# KiCad board k410t-devboard.kicad_pcb (continued)
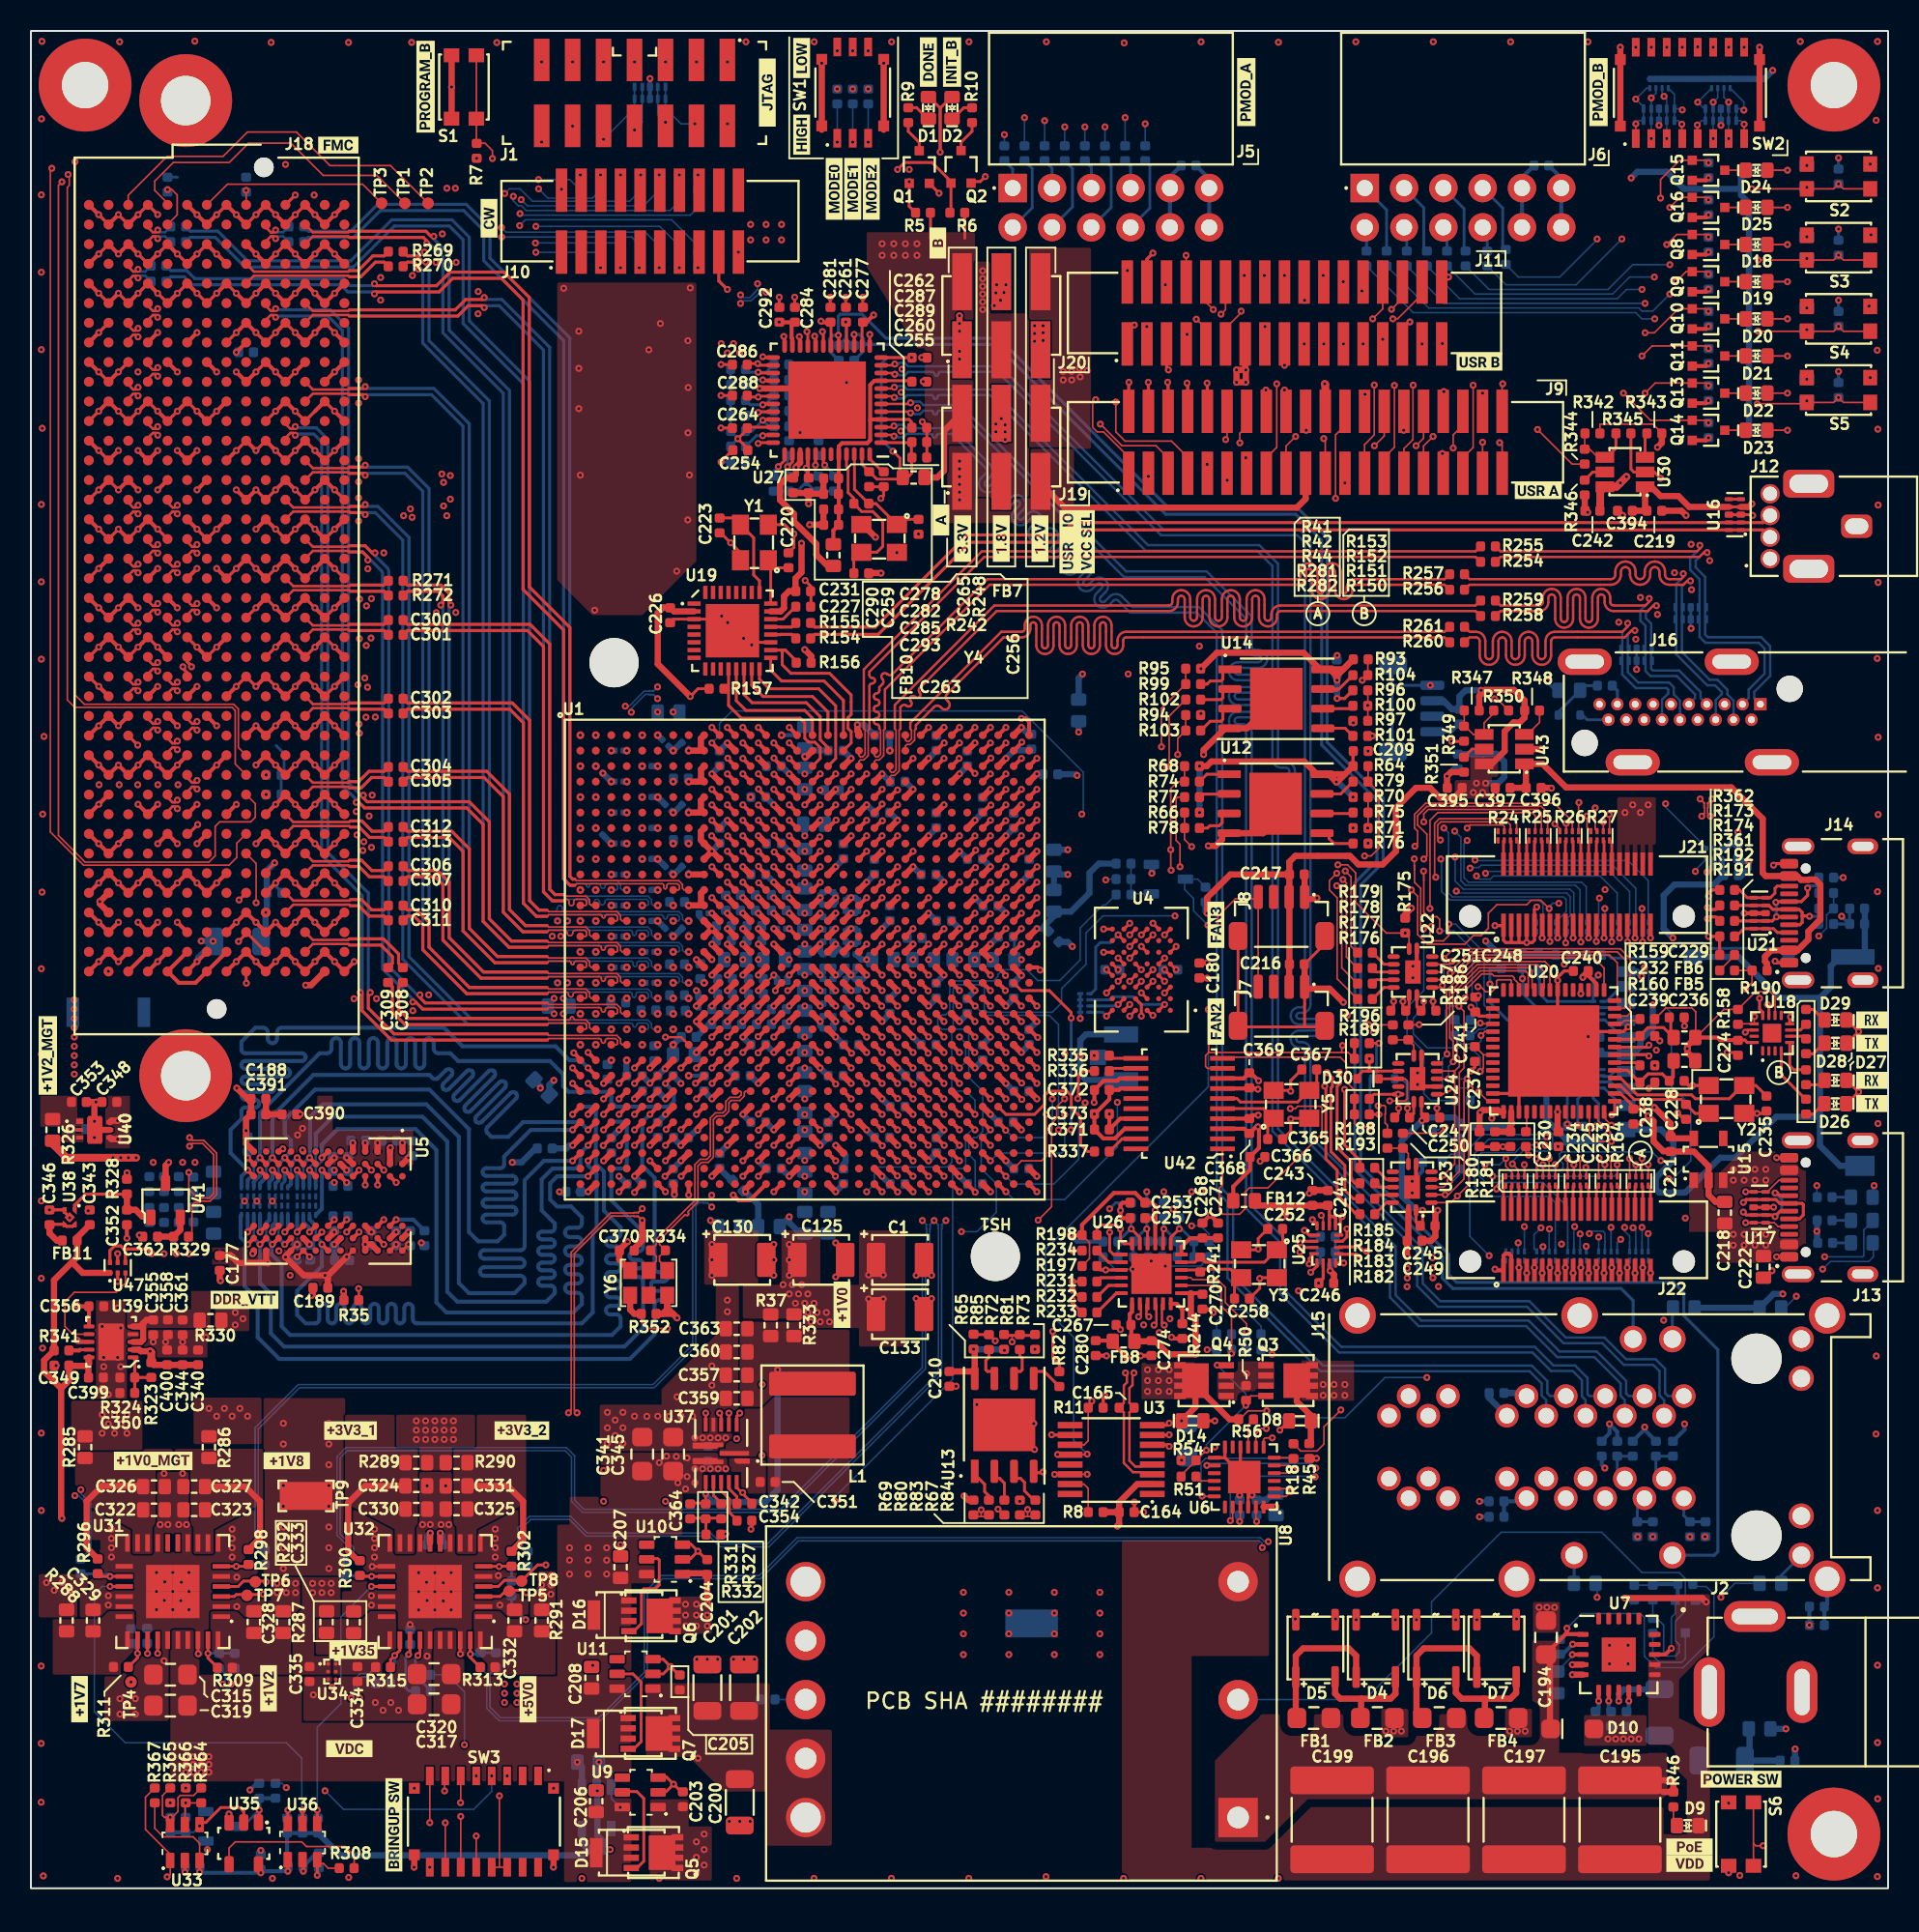
[diagram p0: board, top side]
## Routing (per net, layer and track width the routed paths; a pad name or vN(x,y) marks a point on that pad's centre or on a via; arc(x,y) is an arc through that point) (continued)
  Bottom w0.201: 35.14,64.8 34.84,64.8 34.42,65.22 34.42,78.39 34.42,78.39 34.42,100 29.26,105.16 29.26,107.1 27.96,108.4 22.58,108.4 20.84,106.66 17.93,106.66 17.63,106.36
/FMC+ HSPC/GTX116.TX3_P: length 61.7
  Bottom w0.1: 35.14,65.2 35.24,65.1 37.86,65.1 38.1,64.86 38.1,64.61 38.21,64.5 v1(38.5,64.5)
  Bottom w0.201: 35.14,65.2 35,65.2 34.82,65.39 34.82,78.23 34.82,78.23 34.82,100.16 29.66,105.32 29.66,107.26 28.12,108.8 22.41,108.8 20.68,107.07 17.93,107.07 17.63,107.36
/FMC+ HSPC/GTX_TX0_C_N: length 2.1
  Top w0.16: 15.18,106.22 15.18,106.41 15.5,106.73 15.67,106.73 v1(15.81,106.58)
  Bottom w0.16: v1(15.81,106.58) 15.96,106.73 16.3,106.73 16.66,106.36
/FMC+ HSPC/GTX_TX0_C_P: length 2.1
  Top w0.16: 15.18,107.49 15.18,107.31 15.5,106.99 15.67,106.99 v1(15.81,107.14)
  Bottom w0.16: 16.66,107.36 16.29,106.99 15.96,106.99 v1(15.81,107.14)
/FMC+ HSPC/GTX_TX1_C_N: length 5.7
  Top w0.16: 17.72,80.82 18.22,81.33 20.5,81.33 20.57,81.26
  Top w0.201: 20.57,81.26 22.81,81.26 23.09,80.98
/FMC+ HSPC/GTX_TX1_C_P: length 5.7
  Top w0.16: 20.57,81.66 20.5,81.59 18.22,81.59 17.72,82.09
  Top w0.201: 20.57,81.66 22.81,81.66 23.09,81.94
/FMC+ HSPC/GTX_TX2_C_N: length 5.7
  Top w0.16: 20.57,76.18 20.5,76.25 18.22,76.25 17.72,75.74
  Top w0.201: 20.57,76.18 22.81,76.18 23.09,75.9
/FMC+ HSPC/GTX_TX2_C_P: length 5.7
  Top w0.16: 20.57,76.58 20.5,76.51 18.22,76.51 17.72,77.01
  Top w0.201: 20.57,76.58 22.81,76.58 23.09,76.86
/FMC+ HSPC/GTX_TX3_C_N: length 6
  Top w0.16: 17.72,70.66 18.22,71.17 20.5,71.17 20.57,71.1
  Top w0.201: 20.57,71.1 21.34,71.1 22.01,71.77 22.81,71.77 23.09,71.49
/FMC+ HSPC/GTX_TX3_C_P: length 6
  Top w0.16: 20.57,71.5 20.5,71.43 18.22,71.43 17.72,71.93
  Top w0.201: 23.09,72.44 22.81,72.17 21.84,72.17 21.18,71.5 20.57,71.5
/FMC+ HSPC/GTX_TX4_C_N: length 6
  Top w0.16: 17.72,65.58 18.22,66.09 20.5,66.09 20.57,66.02
  Top w0.201: 20.57,66.02 21.2,66.02 21.86,65.35 22.81,65.35 23.09,65.08
/FMC+ HSPC/GTX_TX4_C_P: length 6
  Top w0.16: 20.57,66.42 20.5,66.35 18.22,66.35 17.72,66.85
  Top w0.201: 23.09,66.03 22.81,65.75 22.03,65.75 21.36,66.42 20.57,66.42
/FMC+ HSPC/GTX_TX5_C_N: length 7
  Top w0.16: 20.57,60.94 20.5,61.01 18.22,61.01 17.72,60.5
  Top w0.201: 20.57,60.94 22.61,60.94 23.35,60.2 23.35,59.76 23.08,59.48
/FMC+ HSPC/GTX_TX5_C_P: length 7.7
  Top w0.16: 20.57,61.34 20.5,61.27 18.22,61.27 17.72,61.77
  Top w0.201: 20.57,61.34 22.78,61.34 23.75,60.36 23.75,59.76 24.03,59.48
/FMC+ HSPC/GTX_TX6_C_N: length 7.3
  Top w0.16: J18.B37 16.95,63.55 20.57,63.55 20.64,63.48
  Top w0.201: 23.09,62.54 22.81,62.81 21.85,62.81 21.19,63.48 20.64,63.48
/FMC+ HSPC/GTX_TX6_C_P: length 7.3
  Top w0.16: J18.B36 16.95,63.81 20.57,63.81 20.64,63.88
  Top w0.201: 23.09,63.49 22.81,63.21 22.02,63.21 21.35,63.88 20.64,63.88
/FMC+ HSPC/GTX_TX7_C_N: length 7.3
  Top w0.16: 20.64,68.56 20.57,68.63 16.95,68.63 J18.B33
  Top w0.201: 20.64,68.56 21.21,68.56 21.88,67.89 22.81,67.89 23.09,67.62
/FMC+ HSPC/GTX_TX7_C_P: length 7.3
  Top w0.16: 20.64,68.96 20.57,68.89 16.95,68.89 J18.B32
  Top w0.201: 20.64,68.96 21.38,68.96 22.05,68.29 22.81,68.29 23.09,68.57
/FPGA Bank 12 & 13/CW_HEADER.HS1: length 103.5
  Top w0.256: U1.AG25 v1(60,48)
  In3.Cu w0.1: v1(54,45) 53.41,44.41 45.66,44.41 44.87,43.62 43.27,43.62 42.48,44.41 33.11,44.41 32.4,45.13 32.4,48.12 29.8,50.72 29.8,109.7 30.5,110.4 v1(32.8,110.4)
  Bottom w0.1: v1(54,45) 54.5,45.5 54.5,46.3 54.8,46.6 59.2,46.6 59.5,46.9 59.5,47.5 v1(60,48) ; 35.5,109.71 34.82,110.4 v1(32.8,110.4)
/FPGA Bank 12 & 13/CW_HEADER.HS2: length 91
  Top w0.256: U1.AF22 v1(57,49)
  In3.Cu w0.1: v1(57,49) 56.6,48.6 34.28,48.6 31.4,51.48 31.4,105.73 31.79,106.12 31.79,106.82 32.25,107.28 32.25,109.25 v1(32.8,109.8)
  Bottom w0.1: v1(32.8,109.8) 33.4,109.2 36.29,109.2 36.8,109.71
/FPGA Bank 12 & 13/CW_HEADER.IO1: length 96.8
  Top w0.256: U1.AJ21 55.97,46.03 v1(55.98,46.03)
  In3.Cu w0.1: 56,46 55.6,46.4 34.7,46.4 34.1,47 34.1,47.3 30.4,51 30.4,106.14 30.79,106.53 30.79,109.33 v1(30.62,109.5)
  Bottom w0.1: v1(30.62,109.5) 30.92,109.8 31.6,109.8 32.4,109 38.69,109 39.36,109.67 39.36,109.72
/FPGA Bank 12 & 13/CW_HEADER.IO2: length 96.4
  Top w0.256: U1.AH22 v1(57,47)
  In3.Cu w0.1: v1(57,47) 56.6,47.4 34.6,47.4 30.8,51.2 30.8,105.97 31.19,106.36 31.19,108.61 v1(31.68,109.1)
  Bottom w0.1: 40.6,109.71 39.59,108.7 32.08,108.7 31.88,108.9 31.88,108.9 v1(31.68,109.1)
/FPGA Bank 12 & 13/CW_HEADER.IO3: length 98
  Top w0.256: U1.AH20 v1(55,47)
  In3.Cu w0.1: v1(31.17,109.31) 30.99,109.13 30.99,106.45 30.6,106.06 30.6,51.12 34.31,47.41 34.31,47.16 34.87,46.6 54.6,46.6 v1(55,47)
  Bottom w0.1: 41.9,109.71 41.9,109 41.3,108.4 32,108.4 31.7,108.7 31.5,108.7 31.17,109.03 v1(31.17,109.31)
/FPGA Bank 12 & 13/CW_HEADER.IO4: length 98.1
  Top w0.256: U1.AG22 v1(57,48)
  In3.Cu w0.1: v1(57,48) 56.6,48.4 34.2,48.4 31.2,51.4 31.2,105.81 31.59,106.2 31.59,106.91 31.6,106.91 32.05,107.37 32.05,107.75 v1(31.6,108.2)
  Bottom w0.1: 43.1,109.71 43.1,108.6 42.6,108.1 31.7,108.1 v1(31.6,108.2)
/FPGA Bank 12 & 13/CW_HEADER.MISO: length 87
  Top w0.256: U1.AF21 v1(56,49)
  In3.Cu w0.1: v1(32.6,106.3) 31.8,105.5 31.8,51.7 33.9,49.6 55,49.6 55.6,49 v1(56,49)
  Bottom w0.1: 38.1,105.68 38.1,106.1 37.9,106.3 v1(32.6,106.3)
/FPGA Bank 12 & 13/CW_HEADER.MOSI: length 95.8
  Top w0.256: U1.AK21 56,45 v1(56,44.99)
  In3.Cu w0.1: 56,45 55.4,45.6 33.2,45.6 32.8,46 32.8,48.32 30.2,50.92 30.2,106.47 v1(30.41,106.69)
  Bottom w0.1: v1(30.41,106.69) 38.81,106.69 39.36,106.14 39.36,105.69
/FPGA Bank 12 & 13/CW_HEADER.RST: length 82.8
  Top w0.256: U1.AE20 v1(55,50)
  In3.Cu w0.1: v1(32.63,105.7) 32,105.07 32,51.8 33.4,50.4 54.6,50.4 v1(55,50)
  Bottom w0.1: v1(32.63,105.7) 36.79,105.7 36.8,105.68
/FPGA Bank 12 & 13/CW_HEADER.TPDIC: length 91.6
  Top w0.256: v1(55,49.03) 54.97,49.03 U1.AF20
  In3.Cu w0.1: v1(32.63,107.37) 31.99,106.74 31.99,106.03 31.6,105.64 31.6,51.6 33.8,49.4 54.6,49.4 55,49
  Bottom w0.1: v1(32.63,107.37) 40.63,107.37 41.9,106.1 41.9,105.68
/FPGA Bank 12 & 13/CW_HEADER.TPDID: length 95.6
  Top w0.256: U1.AG20 55.01,47.99 v1(55.01,47.97)
  In3.Cu w0.1: 55,48 54.6,47.6 34.7,47.6 31,51.3 31,105.89 31.39,106.28 31.39,107.23 v1(31.58,107.42)
  Bottom w0.1: 43.1,105.68 43.1,106.1 41.4,107.8 31.96,107.8 v1(31.58,107.42)
/FPGA Bank 12 & 13/CW_HEADER.TSCK: length 97.3
  Top w0.256: U1.AK20 v1(55,45)
  In3.Cu w0.1: v1(55,45) 54.6,45.4 33,45.4 32.6,45.8 32.6,48.2 30,50.8 30,106.9 v1(30.4,107.3)
  Bottom w0.1: 40.6,105.68 40.6,106.1 39.7,107 30.7,107 v1(30.4,107.3)
/FPGA Bank 12 & 13/FAN_PWM_CTRL: length 26.2
  Top w0.256: U1.AE26 v1(61,50)
  Bottom w0.1: v1(61,50) 61,50.93 60.43,51.5 59.72,51.5 59.5,51.72 59.5,55.3 59.3,55.5 58.85,55.5 58.6,55.75 58.6,56.18 58.85,56.43 59.1,56.43 59.38,56.7 59.38,58.27 59.73,58.62 62.2,58.62 62.47,58.9 62.47,59.03 62.8,59.35 64.35,59.35 65.05,58.65 66.47,58.65 67.8,59.97 67.8,62.05 69.28,63.53 69.44,63.53 70.12,64.2
/FPGA Bank 12 & 13/PMOD_A.IO1: length 145.5
  Top w0.256: U1.AK28 v1(63,45)
  In3.Cu w0.1: v1(64.2,114.4) 64.38,114.58 69.72,114.58 70.4,113.9 71.05,113.9 71.55,114.4 101.9,114.4 106.9,109.4 106.9,91.6 97.5,82.2 84.5,82.2 83.5,81.2 83.5,64.72 83.95,64.28 83.95,63.3 83.7,63.05 83.7,57.22 77.68,51.2 72.67,51.2 72.47,51 70.42,51 v1(70.2,50.78)
  Bottom w0.1: 64.2,112.59 v1(64.2,114.4) ; v1(70.2,50.78) 70.2,47.9 66.8,44.5 63.5,44.5 v1(63,45)
/FPGA Bank 12 & 13/PMOD_A.IO2: length 128
  Top w0.256: U1.W27 v1(62,56)
  In3.Cu w0.1: v1(66.8,113.8) 67.6,113 72.66,113 73.06,113.4 101.4,113.4 102.32,112.48 102.32,105.19 101.6,104.47 101.6,97 92.8,88.2 82.5,88.2 77.7,83.4 77.7,57.12 76.13,55.55 70.92,55.55 70.67,55.8 66.5,55.8 65.5,56.8 65.5,57.2 65.3,57.4 63.67,57.4 63.5,57.23 63.5,56.9 63.2,56.6 62.6,56.6 v1(62,56)
  Bottom w0.1: 66.8,112.59 v1(66.8,113.8)
/FPGA Bank 12 & 13/PMOD_A.IO3: length 135.3
  Top w0.256: v1(62.98,48.97) 62.98,49.02 U1.AF28
  In3.Cu w0.1: v1(69.4,113.8) 69.6,113.6 72.3,113.6 72.7,114 101.7,114 106.5,109.2 106.5,104.6 105.9,104 105.9,103.6 106.3,103.2 106.3,93.1 96.3,83.1 84.2,83.1 82.8,81.7 82.8,64.9 82.7,64.8 82.7,63.75 82.8,63.65 82.8,57.2 77.4,51.8 72.42,51.8 72.22,51.6 66.6,51.6 v1(66,51)
  Bottom w0.1: v1(66,51) 66,49.1 65.4,48.5 63.46,48.5 v1(62.98,48.97) ; 69.4,112.59 v1(69.4,113.8)
/FPGA Bank 12 & 13/PMOD_A.IO4: length 136
  Top w0.182: U1.AJ28 v1(63,46)
  In3.Cu w0.1: v1(72,114) 72.2,114.2 101.8,114.2 106.7,109.3 106.7,91.8 97.4,82.5 84.4,82.5 83.28,81.38 83.28,64.65 83.72,64.2 83.72,63.42 83.4,63.1 83.4,57.22 77.58,51.4 72.58,51.4 72.38,51.2 68.57,51.2 v1(68.12,50.75)
  Bottom w0.1: v1(63,46) 63.5,45.5 66.1,45.5 67.7,47.1 67.7,50.33 v1(68.12,50.75) ; 72,112.59 v1(72,114)
/FPGA Bank 12 & 13/PMOD_A.IO7: length 134.6
  Top w0.256: U1.AA25 v1(60,54)
  In3.Cu w0.1: v1(60,54) 60.6,54.6 60.6,57.18 60.79,57.38 63.36,57.38 63.58,57.6 65.39,57.6 65.72,57.28 69.47,57.28 71,55.75 76.05,55.75 77.4,57.1 77.4,83.5 82.4,88.5 92.68,88.5 101.4,97.22 101.4,104.55 102.1,105.25 102.1,112.4 101.3,113.2 73.2,113.2 72.8,112.8 63.4,112.8 v1(62.9,113.3)
  Bottom w0.1: v1(62.9,113.3) 62.9,112.59
/FPGA Bank 12 & 13/PMOD_A.IO8: length 129.7
  Top w0.256: U1.W29 v1(64,56)
  In3.Cu w0.1: v1(65.5,114.2) 67,114.2 68,113.2 72.55,113.2 72.95,113.6 101.5,113.6 104.9,110.2 104.9,105.6 102,102.7 102,96.5 93.1,87.6 82.7,87.6 78.3,83.2 78.3,57.1 76.35,55.15 70.75,55.15 70.5,55.4 66.3,55.4 65.32,56.38 64.38,56.38 v1(64,56)
  Bottom w0.1: 65.5,112.59 v1(65.5,114.2)
/FPGA Bank 12 & 13/PMOD_A.IO9: length 133.9
  Top w0.256: U1.AD27 v1(62,51)
  In3.Cu w0.1: v1(68.1,113.8) 68.5,113.4 72.4,113.4 72.8,113.8 101.6,113.8 106.3,109.1 106.3,104.7 105.5,103.9 105.5,102.8 105.9,102.4 105.9,94.5 104.1,92.7 103.8,92.7 94.8,83.7 84,83.7 82.2,81.9 82.2,57.2 77.2,52.2 72.25,52.2 72.05,52 66.4,52 66.03,51.62 62.62,51.62 v1(62,51)
  Bottom w0.1: 68.1,112.59 v1(68.1,113.8)
/FPGA Bank 12 & 13/PMOD_A.IO10: length 138.4
  Top w0.1: v1(65.6,50) 65.6,47.3 65.3,47 64,47 U1.AJ29
  In3.Cu w0.1: v1(70.7,114.4) 70.9,114.6 102,114.6 107.1,109.5 107.1,91.4 97.6,81.9 84.6,81.9 83.75,81.05 83.75,64.83 84.2,64.38 84.2,57.26 80.62,53.69 80.62,52.39 79.18,50.95 77.75,50.95 75.8,49 68.03,49 67.43,49.6 66,49.6 v1(65.6,50)
  Bottom w0.1: 70.7,112.59 v1(70.7,114.4)
/FPGA Bank 12 & 13/PMOD_B.IO1: length 99.4
  Top w0.256: U1.AB30 v1(65,53)
  In3.Cu w0.1: v1(104.93,101.4) 105.1,101.23 105.1,95.3 103.7,93.9 103.4,93.9 94.4,84.9 83.6,84.9 81,82.3 81,57.2 76.8,53 71.92,53 71.72,52.8 65.2,52.8 v1(65,53)
  Bottom w0.1: 86.3,104.81 89.31,101.8 103.7,101.8 104.1,101.4 v1(104.93,101.4)
/FPGA Bank 12 & 13/PMOD_B.IO2: length 97.9
  Top w0.256: U1.AB29 v1(64,53)
  In3.Cu w0.1: v1(104.3,102.4) 104.3,101.4 104.9,100.8 104.9,95.5 103.6,94.2 103.3,94.2 94.3,85.2 83.5,85.2 80.7,82.4 80.7,57.19 76.71,53.2 71.84,53.2 71.64,53 66.3,53 65.9,53.4 64.3,53.4 64,53.1 v1(64,53)
  Bottom w0.1: v1(104.3,102.4) 91.31,102.4 88.9,104.82
/FPGA Bank 12 & 13/PMOD_B.IO3: length 98.6
  Top w0.256: v1(64.02,52.03) 63.97,52.03 U1.AC29
  In3.Cu w0.1: v1(104.9,104.1) 104.9,102.8 105.5,102.2 105.5,94.9 103.9,93.3 103.6,93.3 94.6,84.3 83.8,84.3 81.6,82.1 81.6,57.23 76.97,52.6 72.09,52.6 71.89,52.4 64.3,52.4 64.02,52.12 v1(64.02,52.03)
  Bottom w0.1: 91.5,104.82 93.31,103 102.2,103 103.3,104.1 v1(104.9,104.1)
/FPGA Bank 12 & 13/PMOD_B.IO4: length 93.4
  Top w0.256: U1.W28 v1(63,56)
  In3.Cu w0.1: v1(63,56) 63.57,56.57 65.43,56.57 66.4,55.6 70.58,55.6 70.83,55.35 76.25,55.35 78,57.1 78,83.3 82.6,87.9 92.95,87.9 101.8,96.75 101.8,104.38 102.8,105.38 v1(102.8,106.56)
  Bottom w0.1: v1(102.8,106.56) 99.84,103.6 95.31,103.6 94.1,104.82
/FPGA Bank 12 & 13/PMOD_B.IO7: length 105.5
  Top w0.256: U1.AD28 v1(63,51)
  In3.Cu w0.1: v1(63,51) 63.43,51.43 66.12,51.43 66.5,51.8 72.14,51.8 72.34,52 77.28,52 82.5,57.22 82.5,81.8 84.1,83.4 96.3,83.4 106.1,93.2 106.1,102.8 v1(105.9,103)
  Bottom w0.1: v1(105.9,103) 104.8,101.9 104.1,101.9 103.9,102.1 90.31,102.1 87.6,104.82
/FPGA Bank 12 & 13/PMOD_B.IO8: length 99.4
  Top w0.256: v1(62.03,54.01) 61.99,54.01 U1.AA27
  In3.Cu w0.1: v1(62.03,54.01) 62.64,53.4 64.02,53.4 64.22,53.6 65.98,53.6 66.38,53.2 71.56,53.2 71.76,53.4 76.63,53.4 80.4,57.17 80.4,82.5 83.4,85.5 94.1,85.5 103.1,94.5 103.5,94.5 104.7,95.7 104.7,100.71 103.9,101.51 103.9,103.1 v1(104.1,103.3)
  Bottom w0.1: v1(104.1,103.3) 103.1,103.3 102.5,102.7 92.31,102.7 90.2,104.82
/FPGA Bank 12 & 13/PMOD_B.IO9: length 98.7
  Top w0.256: U1.AC30 v1(65,52)
  In3.Cu w0.1: v1(65,52) 66.1,52 66.3,52.2 71.97,52.2 72.17,52.4 77.1,52.4 81.9,57.2 81.9,82 83.9,84 94.7,84 103.7,93 104,93 105.7,94.7 105.7,102.3 105.3,102.7 105.3,104.3 v1(105.9,104.9)
  Bottom w0.1: 92.7,104.82 94.22,103.3 101.9,103.3 103.5,104.9 v1(105.9,104.9)
/FPGA Bank 12 & 13/PMOD_B.IO10: length 96.4
  Top w0.256: U1.AB25 v1(60,53)
  In3.Cu w0.1: v1(60,55) 60.1,55 60.4,55.3 60.4,57.27 60.71,57.57 63.28,57.57 63.5,57.8 65.47,57.8 65.8,57.47 72.03,57.47 73.55,55.95 75.95,55.95 77.1,57.1 77.1,83.6 82.3,88.8 92.57,88.8 101.2,97.42 v1(101.2,106.56)
  Bottom w0.1: v1(60,53) 60.4,53.4 60.4,54.6 v1(60,55) ; v1(101.2,106.56) 101.2,106.52 98.78,104.1 96.12,104.1 95.3,104.92
/FPGA Bank 12 & 13/UART0.RX: length 11.5
  Top w0.1: NT16.2 90,63.08 90.3,62.78 90.85,62.78 91.03,62.6 v1(91.03,61.85)
  Bottom w0.1: v1(91.03,61.85) 91.95,61.85 93.12,60.68 93.12,57.47 93.43,57.18 93.43,56.54 92.99,56.1
/FPGA Bank 12 & 13/UART0.TX: length 11.6
  Top w0.1: v1(91.62,62.29) 91.62,61.56 91.27,61.21 90.69,61.21 NT18.2
  Bottom w0.1: v1(91.62,62.29) 92.07,62.29 93.9,60.46 93.9,57.05 94.25,56.7 94.25,55.85 93.9,55.5 93.55,55.5 93.15,55.1 92.99,55.1
/FPGA Bank 12 & 13/UART1.RX: length 17.8
  Top w0.1: NT15.2 89.4,65 89.8,64.6 89.8,62.15 v1(89.97,61.97)
  Bottom w0.1: 92.01,50.9 90.45,50.9 90,51.35 90,54.05 88.93,55.12 88.93,56.93 90,58 90,61.95 v1(89.97,61.97)
/FPGA Bank 12 & 13/UART1.TX: length 46
  Top w0.1: 96.6,47.91 96.6,47.55 v1(96.78,47.38)
  In3.Cu w0.1: v1(96.78,47.38) 95.06,49.09 94.23,49.09 94.03,49.29 94.03,49.91 94.6,50.48 94.6,57.39 93.88,58.12 93.88,58.65 91.25,61.27 90.06,61.27 89.08,62.25 88.65,62.25 85.69,59.29 85.69,57.04 v1(85.05,56.4)
  In5.Cu w0.1: v1(85.05,56.4) 85.05,56.93 89.35,61.22 93.05,61.22 94.28,62.45 94.28,62.97 95.22,63.92 98.44,63.92 v1(98.73,63.64)
  Bottom w0.1: NT17.2 v1(98.73,63.64)
/FPGA Bank 12 & 13/USB_HOST.CLK: length 8.5
  Top w0.182: U1.A16 50.5,75.6 ; U19.13 45.57,76.72
  Top w0.184: 45.57,76.72 46.2,76.1 50,76.1 50.5,75.6
/FPGA Bank 12 & 13/USB_HOST.GPX: length 8.6
  Top w0.182: 52.5,76.75 U1.A18 ; 47.8,79.5 47.8,78.7
  Top w0.184: 47.8,78.7 48.5,78 51.25,78 52.5,76.75
/FPGA Bank 12 & 13/USB_HOST.INT: length 12.7
  Top w0.182: U1.B18 53,74 53,74.73 52.8,74.93 52.8,75.64 53,75.84 53,76.65 ; 48.54,79.9 48.54,79.06
  Top w0.184: 48.75,80 48.54,80 48.54,79.9 ; 48.75,80 49.44,79.3 49.44,79.18 ; 48.75,80 48.44,80 ; 48.54,79.9 48.44,80 ; 48.54,79.9 48.65,80 ; 53,76.65 53,77.1 51.6,78.5 49.1,78.5 48.54,79.06 ; 48.44,80 47.8,80
/FPGA Bank 12 & 13/USB_HOST.MISO: length 8.2
  Top w0.182: U1.A17 51.5,75.8 ; U19.15 46.57,77.72
  Top w0.184: 51.5,75.8 51.5,76 50.5,77 47.3,77 46.57,77.72
/FPGA Bank 12 & 13/USB_HOST.MOSI: length 10.4
  Top w0.182: 52,76 52,73 U1.C17 ; U19.16 47.07,78.12
  Top w0.184: 52,76 52,76.4 50.9,77.5 47.7,77.5 47.07,78.12
/FPGA Bank 12 & 13/USB_HOST.VBUS_PEN: length 95.3
  Top w0.1: 100.4,92.02 99.59,92.02 v1(97.35,94.25)
  Top w0.256: v1(62,48) U1.AG27
  In3.Cu w0.1: v1(75.5,80.25) 75.5,82.75 82.05,89.3 92.4,89.3 v1(97.35,94.25)
  In7.Cu w0.1: v1(75.5,80.25) 75.5,80.05 74.95,79.5 63.6,79.5 59.55,75.45 59.55,72.55 58.5,71.5 58.5,66.75 57.3,65.55 52.75,65.55 51.45,64.25 51.45,55 51.5,54.95 51.5,52.6 51.1,52.2 51.1,49.85 52.55,48.4 61.6,48.4 v1(62,48)
/FPGA Bank 12 & 13/USB_HOST.~{CS}: length 9.6
  Top w0.182: 51,75.7 51,74.2 51.5,73.7 U1.B17 ; 46.07,78.78 46.07,77.12
  Top w0.184: 51,75.7 50.1,76.6 46.6,76.6 46.07,77.12
/FPGA Bank 12 & 13/USB_HOST.~{RESET}: length 11.4
  Top w0.182: 50,75.3 50,74.3 50.25,74.05 50.65,74.05 51,73.7 51,73 U1.C16 ; 45.2,76.3 45.07,76.42 45.07,78.78
  Top w0.184: 50,75.3 49.7,75.6 45.9,75.6 45.2,76.3
/FPGA Bank 12 & 13/USB_USER.RCV: length 45.2
  Top w0.182: 82.9,41.8 82.1,41.8 v1(82,41.7)
  Top w0.256: U1.AB15 v1(49,53)
  In7.Cu w0.1: v1(49,53) 47.6,51.6 47.6,46.4 49.9,44.1 66.8,44.1 69.2,41.7 v1(82,41.7)
/FPGA Bank 12 & 13/USB_USER.SCON: length 42.8
  Top w0.182: v1(82.8,43.2) 83.1,42.9 U25.16
  Top w0.256: U1.AG15 v1(49,48)
  In7.Cu w0.1: v1(82.8,43.2) 83.2,42.8 84.7,42.8 85.1,43.2 85.1,44.1 83,46.2 65.6,46.2 65.4,46.4 50.07,46.4 49.5,46.97 49.5,47.5 v1(49,48)
/FPGA Bank 12 & 13/USB_USER.SPD: length 44.3
  Top w0.182: v1(84.83,40.4) 84.3,40.4
  Top w0.256: v1(50.99,49) 50.99,49.01 U1.AF16
  In7.Cu w0.1: v1(50.99,49) 51.5,48.49 51.5,47.9 51.81,47.59 62.74,47.59 63.38,48.22 83.12,48.22 86.3,45.05 86.3,42.7 84.83,41.23 v1(84.83,40.4)
/FPGA Bank 12 & 13/USB_USER.SUS: length 42.5
  Top w0.182: v1(82.7,39.8) 83.1,40.2 U25.5
  Top w0.256: U1.AH15 v1(49,47)
  In7.Cu w0.1: v1(49,47) 49.5,46.5 49.5,45.6 49.7,45.4 80,45.4 82.7,42.7 82.7,41.1 82.22,40.62 82.22,40.02 82.43,39.8 v1(82.7,39.8)
  Bottom w0.182: 83.31,41.1 83.31,40.41 v1(82.7,39.8)
/FPGA Bank 12 & 13/USB_USER.VBUS_PEN: length 70.2
  Top w0.198: R349.1 92.59,74.1 v1(91.8,74.1)
  Top w0.256: U1.AD29 64.03,50.97 v1(64.03,50.97)
  In3.Cu w0.1: v1(91.8,74.1) 93.78,74.1 94.2,74.53 94.2,81.03 94.22,81.05 93.75,81.53 85.57,81.53 84.93,80.88 84.93,66.26 85.3,65.88 85.3,64.47 84.43,63.6 84.43,57.21 80.82,53.61 80.82,52.31 79.26,50.75 77.83,50.75 75.88,48.8 67.93,48.8 67.33,49.4 65.59,49.4 v1(64.03,50.97)
/FPGA Bank 12 & 13/USB_USER.VDET: length 101.7
  Top w0.1: 110.08,59.3 111.21,59.3 111.21,58.51 v1(110.8,58.1)
  Top w0.256: U1.AK26 61.02,44.98 v1(61.02,44.97)
  In5.Cu w0.1: v1(73.93,62.83) 73.93,63.2 72.75,64.38 68.85,64.38 68.53,64.7 68.53,65.47 69.03,65.97 72.78,65.97 73.35,66.55 81.25,66.55 84.65,69.95 91.38,69.95 92.65,71.22 92.65,72.05 92.97,72.38 99.97,72.38 101.43,70.92 104,70.92 104.18,71.1 105.32,71.1 109.15,67.28 109.15,59.75 v1(110.8,58.1)
  Bottom w0.1: v1(61.02,44.97) 61.02,46.98 60.6,47.4 60.6,48.2 60.9,48.5 61.1,48.5 61.5,48.9 61.5,51.5 60.6,52.4 60.6,55.2 60.3,55.5 59.8,55.5 59.59,55.71 59.59,58.12 59.84,58.38 61.43,58.38 61.6,58.2 61.6,56.8 61.8,56.6 66,56.6 66.6,57.2 66.6,58.12 68.18,59.7 68.18,61.72 69.28,62.83 v1(73.93,62.83)
/FPGA Bank 12 & 13/USB_USER.VM: length 53.6
  Top w0.182: v1(82.59,40.34) 82.59,40.69 82.9,41
  Top w0.256: U1.Y14 v1(48,55)
  In7.Cu w0.1: v1(82.59,40.34) 84.35,42.1 85.2,42.1 85.9,42.8 85.9,44.9 82.93,47.88 63.88,47.88 63.38,47.38 51.09,47.38 49.5,48.97 49.5,54.4 48.9,55 v1(48,55)
/FPGA Bank 12 & 13/USB_USER.VMO: length 36.1
  Top w0.182: U25.12 84.61,42.31 84.61,43.29 v1(84.73,43.4)
  Top w0.256: v1(51.99,46) 51.99,46.01 U1.AJ17
  In7.Cu w0.1: v1(51.99,46) 52.39,45.6 65.4,45.6 65.6,45.8 82.6,45.8 84.73,43.67 v1(84.73,43.4)
/FPGA Bank 12 & 13/USB_USER.VP: length 47.1
  Top w0.182: 82.9,41.4 82.3,41.4 v1(82,41.1)
  Top w0.256: U1.AA15 v1(49,54)
  In7.Cu w0.1: v1(49,54) 47.4,52.4 47.4,46.2 49.96,43.64 66.36,43.64 69.1,40.9 81,40.9 81.2,41.1 v1(82,41.1)
/FPGA Bank 12 & 13/USB_USER.VPO: length 38.5
  Top w0.182: 84.5,41.8 84.74,41.8 85.03,42.09 v1(85.03,42.6)
  Top w0.256: U1.AH17 v1(52,47)
  In7.Cu w0.1: v1(85.03,42.6) 85.5,43.07 85.5,44.5 83.4,46.6 52.4,46.6 v1(52,47)
/FPGA Bank 12 & 13/USB_USER.~{OE}: length 40.2
  Top w0.182: U25.1 82.59,42.2 v1(82.29,42.5)
  Top w0.256: U1.AG14 v1(48,48)
  In7.Cu w0.1: v1(82.29,42.5) 80.19,44.6 49.8,44.6 48,46.4 v1(48,48)
  Bottom w0.182: v1(82.29,42.5) 82.69,42.1 83.31,42.1
/FPGA Bank 12 & 13/~{PB_CTRL_CLR}: length 85.4
  Top w0.256: U1.AF26 v1(61,49)
  In7.Cu w0.1: v1(51.96,25.01) 47.75,20.8 47.75,11.79 45.74,9.78 17.25,9.78 14.39,6.92 9.91,6.92 9,6.01 v1(9,5.52)
  Bottom w0.1: v1(51.96,25.01) 51.96,25.29 59.56,32.89 59.56,46.36 59.7,46.5 60.2,46.5 60.4,46.7 60.4,48.6 60.8,49 v1(61,49)
/FPGA Bank 12 & 13/~{PB_CTRL_INT}: length 89.5
  Top w0.256: U1.AF27 v1(62,49)
  In3.Cu w0.1: v1(10,6.48) 11.38,6.48 13.99,9.09 13.99,15.59 11.95,17.62 11.95,23.6 20.43,32.07 39.72,32.07 42.85,35.2 59.07,35.2 59.7,35.82 59.7,42 v1(60.12,42.43)
  Bottom w0.1: v1(62,49) 61.4,48.4 61.4,46.5 62.38,45.53 62.38,43.68 61.12,42.43 v1(60.12,42.43)
/FPGA Bank 14 & 15/CFG_PUDC: length 1.3
  Top w0.256: U1.R23 v1(58,61)
  Bottom w0.182: 57.59,61.4 57.99,61 v1(58,61)
/FPGA Bank 14 & 15/SYSTEM_FLASH.CLK: length 82.2
  Top w0.1: v1(86.38,68.5) 86.4,68.5 86.4,70.5
  Top w0.256: v1(44,74) U1.B10
  In7.Cu w0.1: v1(101.7,63.3) 100.12,63.3 98.93,64.5 93.18,64.5 91.5,62.83 83.45,62.83 82.43,63.85 82.43,65.7 83.5,66.78 85.1,66.78 85.57,66.3 86.43,66.3 86.85,66.72 86.85,67.97 86.38,68.45 v1(86.38,68.5) 85.62,67.75 69.55,67.75 v1(67.9,69.4)
  Bottom w0.1: v1(67.9,69.4) 68,69.5 68,72.11 64.04,76.06 45.29,76.06 44.5,75.27 44.5,74.5 v1(44,74) ; 101.7,62.93 v1(101.7,63.3)
/FPGA Bank 14 & 15/SYSTEM_FLASH.DQ0: length 73.6
  Top w0.256: U1.P24 58.99,61.99 v1(59,61.99)
  In3.Cu w0.1: v1(86.4,67.53) 88.76,69.89 94.07,69.89 94.8,69.16 94.8,63.09 94.13,62.42 94.13,61.91 94.8,61.24 94.8,50.15 v1(94.4,49.75)
  In5.Cu w0.1: v1(94.4,49.75) 95.12,49.03 98.78,49.03 101.18,46.62 101.18,43.35 v1(100.1,42.28)
  In7.Cu w0.1: v1(59,61.99) 60.39,63.38 66.22,63.38 69.55,66.7 76.43,66.7 77.18,67.45 86.32,67.45 v1(86.4,67.53)
  Bottom w0.1: NT13.1 v1(100.1,42.28)
/FPGA Bank 14 & 15/SYSTEM_FLASH.DQ1: length 59.3
  Top w0.1: 74.54,70.5 74.1,70.5 74,70.4 74,67.7 74.25,67.45 v1(74.25,66) ; 102.1,46.63 v1(102.1,47.15)
  Top w0.256: U1.R25 v1(60,61)
  In7.Cu w0.1: v1(102.1,47.15) 101.45,47.8 100.03,47.8 91.44,56.38 91.44,57.27 90.29,58.42 86.17,58.42 78.59,66 v1(74.25,66) 74.05,66.2 69.9,66.2 66.07,62.38 60.84,62.38 60.62,62.16 60.62,61.68 60,61.05 v1(60,61)
/FPGA Bank 14 & 15/SYSTEM_FLASH.DQ2: length 26.9
  Top w0.1: 74.54,69.5 74.54,67.76 v1(75,67.3)
  Top w0.256: U1.R19 v1(54,61)
  In7.Cu w0.1: v1(54,61) 54.6,61.6 57.79,61.6 60.56,64.38 66.42,64.38 69.55,67.5 74.8,67.5 v1(75,67.3)
/FPGA Bank 14 & 15/SYSTEM_FLASH.DQ3: length 37.7
  Top w0.1: 86.4,72.5 86.4,71.5 87.1,70.8 87.1,67.2 86.6,66.7 v1(86.18,66.7)
  Top w0.256: U1.R24 v1(59,61)
  In7.Cu w0.1: v1(59,61) 59.62,61.62 60.29,61.62 60.43,61.76 60.43,62.25 60.75,62.58 65.82,62.58 69.7,66.45 76.62,66.45 77.38,67.2 85.68,67.2 v1(86.18,66.7)
/FPGA Bank 14 & 15/SYSTEM_FLASH.~{CS}: length 69.6
  Top w0.1: 99.7,46.53 v1(99.7,46.75) ; 74.54,72.5 74.54,71.5 74.1,71.5 73.65,71.05 v1(73.65,67.1) 73.65,65.8 v1(73.68,65.78)
  Top w0.256: U1.U19 v1(54,58)
  In7.Cu w0.1: v1(73.65,67.1) 73.5,67.25 69.7,67.25 66.03,63.58 60.04,63.58 58.4,61.93 58.4,58.7 58.2,58.5 57.9,58.5 57.6,58.2 57.6,57.7 57.3,57.4 54.6,57.4 v1(54,58) ; v1(99.7,46.75) 99.7,47.84 91.24,56.3 91.24,57.19 90.21,58.22 86.03,58.22 78.7,65.55 73.9,65.55 v1(73.68,65.78)
/FPGA Bank 16 & 17/GBE_RGMII.GTR_CLK: length 38.9
  Top w0.184: v1(47.29,93.85) 47.34,93.9 48.02,93.9
  Top w0.256: U1.D17 v1(52,72)
  In7.Cu w0.1: v1(52,72) 51.84,72.16 51.84,72.47 51.69,72.62 51.69,76.11 51.52,76.28 arc(51.4,76.3) 51.3,76.25 51.13,76.07 arc(51,76.02) 50.88,76.07 arc(50.83,76.2) 50.88,76.32 51.06,76.5 arc(51.11,76.62) 51.06,76.75 arc(50.93,76.8) 50.81,76.75 50.63,76.57 arc(50.51,76.52) 50.38,76.57 arc(50.33,76.69) 50.38,76.82 50.56,76.99 arc(50.61,77.12) 50.56,77.24 arc(50.44,77.29) 50.31,77.24 50.14,77.06 arc(50.01,77.01) 49.89,77.06 arc(49.84,77.19) 49.89,77.31 50.07,77.49 arc(50.12,77.61) 50.07,77.74 arc(49.94,77.79) 49.82,77.74 49.64,77.56 arc(49.52,77.51) 49.39,77.56 arc(49.34,77.68) 49.39,77.81 49.57,77.98 arc(49.62,78.11) 49.57,78.23 arc(49.45,78.28) 49.32,78.23 49.15,78.05 arc(49.02,78) 48.9,78.05 arc(48.85,78.18) 48.9,78.3 49.08,78.48 arc(49.13,78.6) 49.08,78.73 arc(48.95,78.78) 48.83,78.73 48.65,78.55 arc(48.53,78.5) 48.4,78.55 arc(48.35,78.67) 48.4,78.8 48.58,78.97 arc(48.63,79.1) 48.58,79.22 arc(48.46,79.27) 48.33,79.22 48.16,79.04 arc(48.03,78.99) 47.91,79.04 arc(47.86,79.17) 47.91,79.29 48.09,79.47 arc(48.14,79.59) 48.09,79.72 arc(47.96,79.77) 47.84,79.72 47.66,79.54 arc(47.54,79.49) 47.41,79.54 arc(47.36,79.66) 47.41,79.79 47.59,79.96 arc(47.64,80.09) 47.59,80.21 44.31,83.49 44.31,91.04 45.22,91.95 arc(45.28,92.1) 45.22,92.24 45.08,92.39 arc(45.02,92.53) 45.08,92.67 arc(45.22,92.73) 45.36,92.67 45.51,92.52 arc(45.65,92.46) 45.79,92.52 46.15,92.88 47.12,92.88 47.43,93.19 47.43,93.71 v1(47.29,93.85)
  Bottom w0.184: 46.18,92.15 46.18,93.15 46.88,93.85 v1(47.29,93.85)
/FPGA Bank 16 & 17/GBE_RGMII.GTX_CLK: length 49
  Top w0.184: v1(48.64,100.26) 48.7,100.21 48.7,99.58
  Top w0.256: U1.H20 v1(55,68)
  In7.Cu w0.1: v1(48.64,100.26) 48.64,98.17 52.92,93.9 52.92,90.13 51.2,88.41 arc(51.26,88.27) 51.4,88.21 51.92,88.21 arc(52.06,88.15) 52.12,88.01 arc(52.06,87.87) 51.92,87.81 51.4,87.81 arc(51.26,87.75) 51.2,87.61 arc(51.26,87.47) 51.4,87.41 51.92,87.41 arc(52.06,87.35) 52.12,87.21 arc(52.06,87.07) 51.92,87.01 51.4,87.01 arc(51.26,86.95) 51.2,86.81 arc(51.26,86.67) 51.4,86.61 51.92,86.61 arc(52.06,86.55) 52.12,86.41 arc(52.06,86.27) 51.92,86.21 51.4,86.21 arc(51.26,86.15) 51.2,86.01 arc(51.26,85.87) 51.4,85.81 51.92,85.81 arc(52.06,85.75) 52.12,85.61 arc(52.06,85.47) 51.92,85.41 51.4,85.41 arc(51.26,85.35) 51.2,85.21 arc(51.26,85.07) 51.4,85.01 51.92,85.01 arc(52.06,84.95) 52.12,84.81 arc(52.06,84.67) 51.92,84.61 51.4,84.61 arc(51.26,84.55) 51.2,84.41 arc(51.26,84.27) 51.4,84.21 51.92,84.21 arc(52.06,84.15) 52.12,84.01 arc(52.06,83.87) 51.92,83.81 51.4,83.81 arc(51.26,83.75) 51.2,83.61 arc(51.26,83.47) 51.4,83.41 51.92,83.41 arc(52.06,83.35) 52.12,83.21 arc(52.06,83.07) 51.92,83.01 51.4,83.01 arc(51.26,82.95) 51.2,82.81 51.2,82.79 52.85,81.14 52.85,79.85 55.4,77.3 55.4,74.02 55.02,73.64 55.02,73.05 55.62,72.45 55.62,68.62 v1(55,68)
